# Altium PCB UmTRXv2.PcbDoc (part 17 of 25)
Units mm, origin at the board's own origin, x right, y up, seen from the top; angles counter-clockwise.
Board outline 159.5 x 99.5 mm, 6 copper layers (Top Layer, GND, MidLayer1, Mid-Layer 2, InternalPlane2, Bottom Layer), stack 1.526 mm thick; 708 components, 578 nets, 2802 pads, 1408 vias.
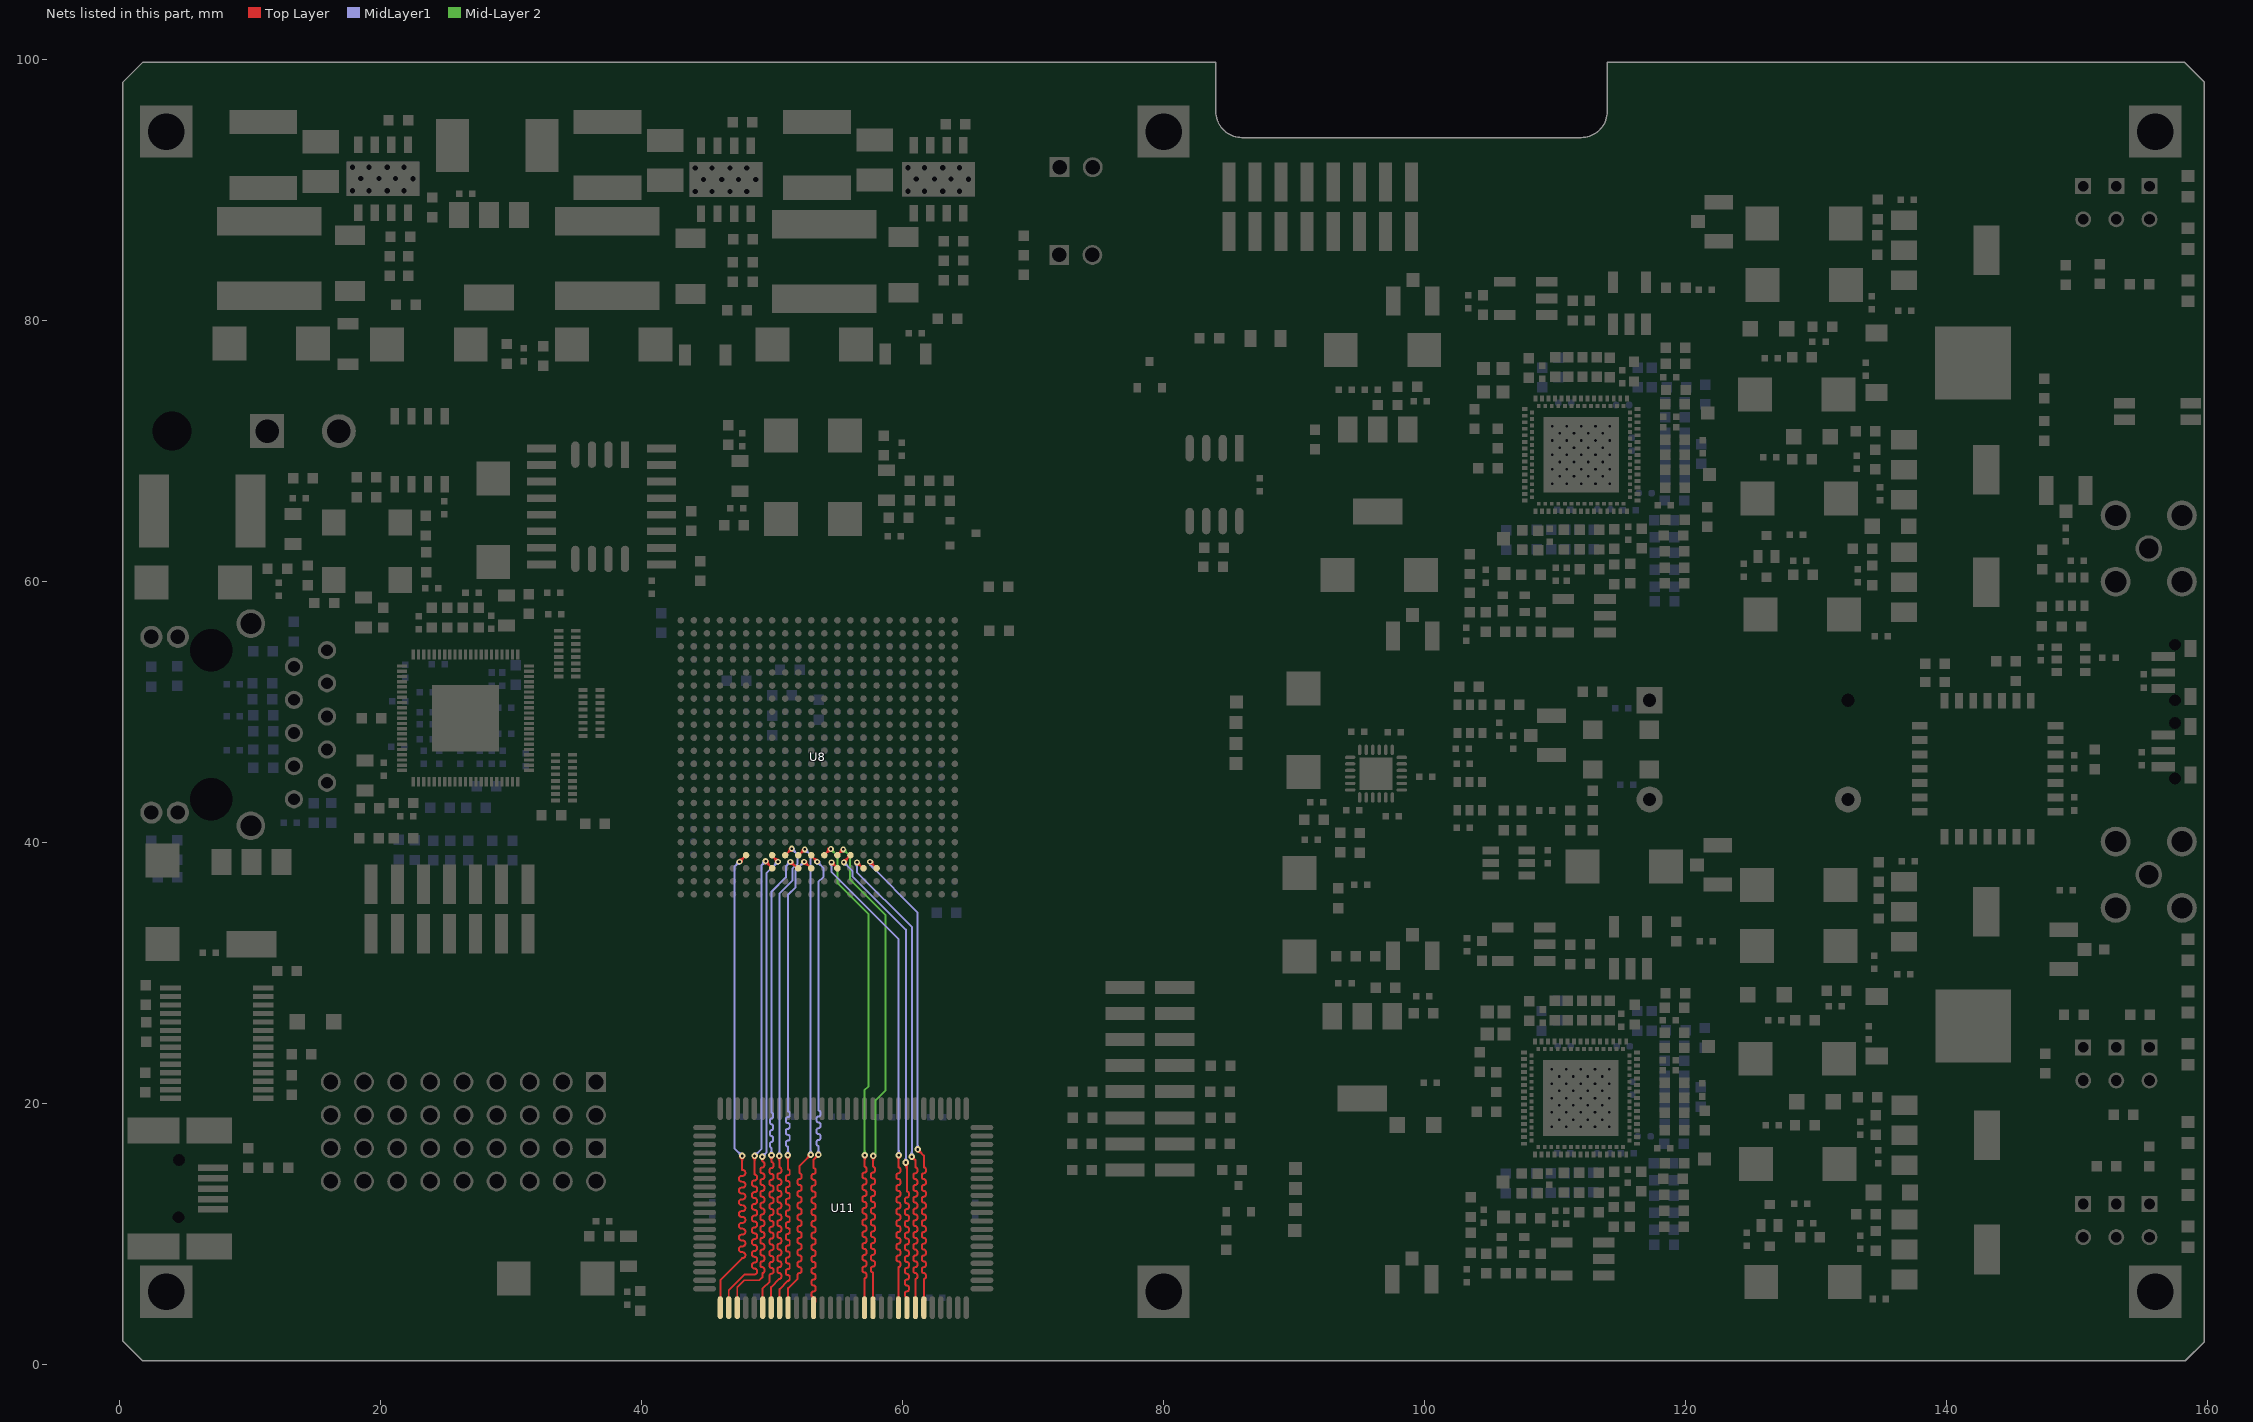
[diagram p21: the nets of this part, all layers, seen from the top]

## Via types
v1: diameter 0.5, hole 0.2, Top Layer to Bottom Layer, tented both sides, 441 vias
v2: diameter 0.45, hole 0.2, Top Layer to Bottom Layer, tented both sides, 429 vias
v3: diameter 0.7, hole 0.3, Top Layer to Bottom Layer, tented both sides, 258 vias
v4: diameter 0.4, hole 0.2, Top Layer to Bottom Layer, tented both sides, 197 vias
v5: diameter 0.8, hole 0.3, Top Layer to Bottom Layer, tented both sides, 61 vias
v6: diameter 0.6, hole 0.25, Top Layer to Bottom Layer, tented both sides, 16 vias
v7: diameter 0.6, hole 0.3, Top Layer to Bottom Layer, tented both sides, 4 vias
v8: diameter 1, hole 0.5, Top Layer to Bottom Layer, tented both sides, 2 vias

## Nets (pads, with @x,y where several pads share a name; then routed paths per layer and width w, separated by ;. In a path a pad name is that pad's centre, name@x,y a point inside that pad or via, vN(x,y) a via of type N, cw(c..) or ccw(c..) an arc to the next point about the centre after c; other vN are vias at no path point) (continued)
RAM_D01: U8.D12 U11.62 | length 52.5
  Top Layer w0.15: U8.D12@53,39 53,38.95 v2(53.45,38.5) ; U11.62@53.175,4.325 53.175,4.675 ccw(c53.175,4.825) 53.325,4.825 53.325,4.975 ccw(c53.175,4.975) 53.175,5.125 cw(c53.175,5.275) 53.025,5.275 53.025,5.425 cw(c53.175,5.425) 53.175,5.575 ccw(c53.175,5.725) 53.325,5.725 53.325,5.875 ccw(c53.175,5.875) 53.175,6.025 cw(c53.175,6.175) 53.025,6.175 53.025,6.325 cw(c53.175,6.325) 53.175,6.475 ccw(c53.175,6.625) 53.325,6.625 53.325,6.775 ccw(c53.175,6.775) 53.175,6.925 cw(c53.175,7.075) 53.025,7.075 53.025,7.225 cw(c53.175,7.225) 53.175,7.375 ccw(c53.175,7.525) 53.325,7.525 53.325,7.675 ccw(c53.175,7.675) 53.175,7.825 cw(c53.175,7.975) 53.025,7.975 53.025,8.125 cw(c53.175,8.125) 53.175,8.275 ccw(c53.175,8.425) 53.325,8.425 53.325,8.575 ccw(c53.175,8.575) 53.175,8.725 cw(c53.175,8.875) 53.025,8.875 53.025,9.025 cw(c53.175,9.025) 53.175,9.175 ccw(c53.175,9.325) 53.325,9.325 53.325,9.475 ccw(c53.175,9.475) 53.175,9.625 cw(c53.175,9.775) 53.025,9.775 53.025,9.925 cw(c53.175,9.925) 53.175,10.075 ccw(c53.175,10.225) 53.325,10.225 53.325,10.375 ccw(c53.175,10.375) 53.175,10.525 cw(c53.175,10.675) 53.025,10.675 53.025,10.825 cw(c53.175,10.825) 53.175,10.975 ccw(c53.175,11.125) 53.325,11.125 53.325,11.275 ccw(c53.175,11.275) 53.175,11.425 cw(c53.175,11.575) 53.025,11.575 53.025,11.725 cw(c53.175,11.725) 53.175,11.875 ccw(c53.175,12.025) 53.325,12.025 53.325,12.175 ccw(c53.175,12.175) 53.175,12.325 cw(c53.175,12.475) 53.025,12.475 53.025,12.625 cw(c53.175,12.625) 53.175,12.775 ccw(c53.175,12.925) 53.325,12.925 53.325,13.075 ccw(c53.175,13.075) 53.175,13.225 cw(c53.175,13.375) 53.025,13.375 53.025,13.525 cw(c53.175,13.525) 53.175,13.675 ccw(c53.175,13.825) 53.325,13.825 53.325,13.975 ccw(c53.175,13.975) 53.175,14.125 cw(c53.175,14.275) 53.025,14.275 53.025,14.425 cw(c53.175,14.425) 53.175,14.575 ccw(c53.175,14.725) 53.325,14.725 53.325,14.875 ccw(c53.175,14.875) 53.175,15.025 53.175,15.674 53.375,15.874 53.375,15.925 53.5,16.05 v1(53.55,16.05) ; 53.249,38.689 ccw(c53.503,38.757) v2(53.45,38.5) ; 53.261,38.701 cw(c53.193,38.447) v2(53.45,38.5) ; v2@53.275,38.5 ccw(c52.853,38.5) 53.151,38.799 ccw(c53.45,39.097) v2@53.45,38.675 ; v2@53.5,38.5 v2(53.45,38.5) ; 53.194,38.756 cw(c52.938,38.5) 53.3,38.5 ccw(c52.938,38.5) 53.194,38.756 ; 53.194,38.756 ccw(c53.45,39.012) 53.45,38.65 cw(c53.45,39.012) 53.194,38.756 ; 53.251,15.749 ccw(c52.95,16.05) v1@53.375,16.05 ; 53.251,15.749 ccw(c52.95,16.05) v1@53.375,16.05 ; 53.251,15.749 ccw(c52.95,16.05) v1@53.375,16.05 ; 53.253,15.752 cw(c53.55,15.455) v1@53.55,15.875 ; 53.253,15.752 cw(c53.55,15.455) v1@53.55,15.875 ; 53.253,15.752 cw(c53.55,15.455) v1@53.55,15.875 ; 53.305,15.79 cw(c53.621,15.705) v1@53.555,16.026 ; 53.305,15.79 cw(c53.621,15.705) v1@53.555,16.026 ; 53.305,15.79 cw(c53.621,15.705) v1@53.555,16.026 ; v2(53.45,38.5) ccw(c53.12,38.409) 53.209,38.74 cw(c53.12,38.409) v2(53.45,38.5) ; v2(53.45,38.5) cw(c53.541,38.83) 53.21,38.741 ccw(c53.541,38.83) v2(53.45,38.5)
  MidLayer1 w0.15: v2@53.45,38.325 cw(c53.45,37.903) 53.749,38.201 cw(c54.047,38.5) v2@53.625,38.5 ; v1(53.55,16.05) 53.55,16.725 cw(c53.55,16.875) 53.4,16.875 53.4,17.025 cw(c53.55,17.025) 53.55,17.175 ccw(c53.55,17.325) 53.7,17.325 53.7,17.475 ccw(c53.55,17.475) 53.55,17.625 cw(c53.55,17.775) 53.4,17.775 53.4,17.925 cw(c53.55,17.925) 53.55,18.075 ccw(c53.55,18.225) 53.7,18.225 53.7,18.375 ccw(c53.55,18.375) 53.55,18.525 cw(c53.55,18.675) 53.4,18.675 53.4,18.825 cw(c53.55,18.825) 53.55,18.975 ccw(c53.55,19.125) 53.7,19.125 53.7,19.275 ccw(c53.55,19.275) 53.55,19.425 53.55,36.949 53.925,37.324 53.925,38.025 v2(53.45,38.5) ; v1@53.426,16.174 ccw(c53.128,16.472) 53.55,16.472 ; v1@53.426,16.174 ccw(c53.128,16.472) 53.55,16.472 ; v1@53.426,16.174 ccw(c53.128,16.472) 53.55,16.472 ; v2(53.45,38.5) ccw(c53.78,38.591) 53.691,38.26 cw(c53.78,38.591) v2(53.45,38.5) ; v2(53.45,38.5) cw(c53.359,38.17) 53.69,38.259 ccw(c53.359,38.17) v2(53.45,38.5) ; 53.55,16.472 ccw(c53.973,16.472) v1@53.674,16.174 ; 53.55,16.472 ccw(c53.973,16.472) v1@53.674,16.174 ; 53.55,16.472 ccw(c53.973,16.472) v1@53.674,16.174 ; 53.706,38.244 cw(c53.962,38.5) 53.6,38.5 ccw(c53.962,38.5) 53.706,38.244 ; 53.706,38.244 ccw(c53.45,37.988) 53.45,38.35 cw(c53.45,37.988) 53.706,38.244
RAM_D02: U8.D13 U11.59 | length 52.8
  Top Layer w0.15: U11.59@51.225,4.325 51.225,5.825 51.95,6.55 51.95,6.825 cw(c52.1,6.825) 52.1,6.975 ccw(c52.1,7.125) 52.25,7.125 52.25,7.275 ccw(c52.1,7.275) 52.1,7.425 cw(c52.1,7.575) 51.95,7.575 51.95,7.725 cw(c52.1,7.725) 52.1,7.875 ccw(c52.1,8.025) 52.25,8.025 52.25,8.175 ccw(c52.1,8.175) 52.1,8.325 cw(c52.1,8.475) 51.95,8.475 51.95,8.625 cw(c52.1,8.625) 52.1,8.775 ccw(c52.1,8.925) 52.25,8.925 52.25,9.075 ccw(c52.1,9.075) 52.1,9.225 cw(c52.1,9.375) 51.95,9.375 51.95,9.525 cw(c52.1,9.525) 52.1,9.675 ccw(c52.1,9.825) 52.25,9.825 52.25,9.975 ccw(c52.1,9.975) 52.1,10.125 cw(c52.1,10.275) 51.95,10.275 51.95,10.425 cw(c52.1,10.425) 52.1,10.575 ccw(c52.1,10.725) 52.25,10.725 52.25,10.875 ccw(c52.1,10.875) 52.1,11.025 cw(c52.1,11.175) 51.95,11.175 51.95,11.325 cw(c52.1,11.325) 52.1,11.475 ccw(c52.1,11.625) 52.25,11.625 52.25,11.775 ccw(c52.1,11.775) 52.1,11.925 cw(c52.1,12.075) 51.95,12.075 51.95,12.225 cw(c52.1,12.225) 52.1,12.375 ccw(c52.1,12.525) 52.25,12.525 52.25,12.675 ccw(c52.1,12.675) 52.1,12.825 cw(c52.1,12.975) 51.95,12.975 51.95,13.125 cw(c52.1,13.125) 52.1,13.275 ccw(c52.1,13.425) 52.25,13.425 52.25,13.575 ccw(c52.1,13.575) 52.1,13.725 cw(c52.1,13.875) 51.95,13.875 51.95,14.025 cw(c52.1,14.025) 52.1,14.175 ccw(c52.1,14.325) 52.25,14.325 52.25,14.475 ccw(c52.1,14.475) 52.1,14.625 52.1,15.2 v1(52.95,16.05) ; U8.D13@52,39 52.45,39.45 v2(52.5,39.45) ; U8.D13@52.116,39.116 cw(c52.5,38.732) v2@52.5,39.275 ; 52.237,39.237 ccw(c52.023,39.45) v2@52.325,39.45 ; 52.281,39.241 ccw(c52.2,39.546) v2(52.5,39.45) ; v2@52.351,39.301 v2(52.5,39.45) ; v2(52.5,39.45) ccw(c52.547,39.166) 52.269,39.241 cw(c52.547,39.166) v2(52.5,39.45) ; v2(52.5,39.45) cw(c52.123,39.591) 52.227,39.202 ccw(c52.123,39.591) v2(52.5,39.45) ; 52.651,15.751 cw(c52.95,15.453) v1@52.95,15.875 ; 52.651,15.751 ccw(c52.353,16.05) v1@52.775,16.05 ; 52.651,15.751 ccw(c52.353,16.05) v1@52.775,16.05 ; 52.651,15.751 cw(c52.95,15.453) v1@52.95,15.875 ; 52.651,15.751 ccw(c52.353,16.05) v1@52.775,16.05 ; 52.651,15.751 cw(c52.95,15.453) v1@52.95,15.875 ; 52.69,15.805 ccw(c52.606,16.12) v1@52.926,16.055 ; 52.69,15.805 ccw(c52.606,16.12) v1@52.926,16.055 ; 52.69,15.805 ccw(c52.606,16.12) v1@52.926,16.055 ; 52.705,15.79 cw(c53.02,15.706) v1@52.955,16.026 ; 52.705,15.79 cw(c53.02,15.706) v1@52.955,16.026 ; 52.705,15.79 cw(c53.02,15.706) v1@52.955,16.026 ; U8.D13@52.159,39.159 cw(c52.5,38.817) 52.5,39.3 ccw(c52.5,38.817) U8.D13@52.159,39.159 ; 52.279,39.279 ccw(c52.109,39.45) 52.35,39.45 cw(c52.109,39.45) 52.279,39.279
  MidLayer1 w0.15: v2@52.5,39.275 cw(c52.5,38.853) 52.799,39.151 cw(c53.097,39.45) v2@52.675,39.45 ; v1(52.95,16.05) 52.95,39 v2(52.5,39.45) ; v2(52.5,39.45) ccw(c52.83,39.541) 52.741,39.21 cw(c52.83,39.541) v2(52.5,39.45) ; v2(52.5,39.45) cw(c52.409,39.12) 52.74,39.209 ccw(c52.409,39.12) v2(52.5,39.45) ; 52.756,39.194 cw(c53.012,39.45) 52.65,39.45 ccw(c53.012,39.45) 52.756,39.194 ; 52.756,39.194 ccw(c52.5,38.938) 52.5,39.3 cw(c52.5,38.938) 52.756,39.194 ; v1@52.826,16.174 ccw(c52.528,16.472) 52.95,16.472 ; v1@52.826,16.174 ccw(c52.528,16.472) 52.95,16.472 ; v1@52.826,16.174 ccw(c52.528,16.472) 52.95,16.472 ; 52.95,16.472 ccw(c53.372,16.472) v1@53.074,16.174 ; 52.95,16.472 ccw(c53.372,16.472) v1@53.074,16.174 ; 52.95,16.472 ccw(c53.372,16.472) v1@53.074,16.174
RAM_D03: U8.C12 U11.58 | length 50.7
  Top Layer w0.15: U11.58@50.575,4.325 50.575,5.75 51.2,6.375 ccw(c51.2,6.525) 51.35,6.525 51.35,6.675 ccw(c51.2,6.675) 51.2,6.825 cw(c51.2,6.975) 51.05,6.975 51.05,7.125 cw(c51.2,7.125) 51.2,7.275 ccw(c51.2,7.425) 51.35,7.425 51.35,7.575 ccw(c51.2,7.575) 51.2,7.725 cw(c51.2,7.875) 51.05,7.875 51.05,8.025 cw(c51.2,8.025) 51.2,8.175 ccw(c51.2,8.325) 51.35,8.325 51.35,8.475 ccw(c51.2,8.475) 51.2,8.625 cw(c51.2,8.775) 51.05,8.775 51.05,8.925 cw(c51.2,8.925) 51.2,9.075 ccw(c51.2,9.225) 51.35,9.225 51.35,9.375 ccw(c51.2,9.375) 51.2,9.525 cw(c51.2,9.675) 51.05,9.675 51.05,9.825 cw(c51.2,9.825) 51.2,9.975 ccw(c51.2,10.125) 51.35,10.125 51.35,10.275 ccw(c51.2,10.275) 51.2,10.425 cw(c51.2,10.575) 51.05,10.575 51.05,10.725 cw(c51.2,10.725) 51.2,10.875 ccw(c51.2,11.025) 51.35,11.025 51.35,11.175 ccw(c51.2,11.175) 51.2,11.325 cw(c51.2,11.475) 51.05,11.475 51.05,11.625 cw(c51.2,11.625) 51.2,11.775 ccw(c51.2,11.925) 51.35,11.925 51.35,12.075 ccw(c51.2,12.075) 51.2,12.225 cw(c51.2,12.375) 51.05,12.375 51.05,12.525 cw(c51.2,12.525) 51.2,12.675 ccw(c51.2,12.825) 51.35,12.825 51.35,12.975 ccw(c51.2,12.975) 51.2,13.125 cw(c51.2,13.275) 51.05,13.275 51.05,13.425 cw(c51.2,13.425) 51.2,13.575 ccw(c51.2,13.725) 51.35,13.725 51.35,13.875 ccw(c51.2,13.875) 51.2,14.025 cw(c51.2,14.175) 51.05,14.175 51.05,14.325 cw(c51.2,14.325) 51.2,14.475 ccw(c51.2,14.625) 51.35,14.625 51.35,14.775 ccw(c51.2,14.775) 51.2,14.925 v1(51.2,16) ; v2@52.45,38.325 cw(c52.45,37.782) U8.C12@52.834,38.166 ; v2@52.625,38.5 ccw(c52.927,38.5) 52.713,38.287 ; 52.669,38.291 cw(c52.75,38.596) v2(52.45,38.5) ; U8.C12@53,38 52.5,38.5 v2(52.45,38.5) ; v1@51.076,15.876 cw(c50.778,15.578) 51.2,15.578 ; v1@51.076,15.876 cw(c50.778,15.578) 51.2,15.578 ; v1@51.076,15.876 cw(c50.778,15.578) 51.2,15.578 ; 51.2,15.578 cw(c51.622,15.578) v1@51.324,15.876 ; 51.2,15.578 cw(c51.622,15.578) v1@51.324,15.876 ; 51.2,15.578 cw(c51.622,15.578) v1@51.324,15.876 ; v2(52.45,38.5) ccw(c52.827,38.641) 52.723,38.252 cw(c52.827,38.641) v2(52.45,38.5) ; v2(52.45,38.5) cw(c52.403,38.216) 52.681,38.291 ccw(c52.403,38.216) v2(52.45,38.5) ; v2@52.45,38.35 cw(c52.45,37.867) 52.791,38.209 ccw(c52.45,37.867) v2@52.45,38.35 ; v2@52.6,38.5 ccw(c52.841,38.5) 52.671,38.329 cw(c52.841,38.5) v2@52.6,38.5
  MidLayer1 w0.15: v1(51.2,16) 51.2,16.675 cw(c51.2,16.825) 51.05,16.825 51.05,16.975 cw(c51.2,16.975) 51.2,17.125 ccw(c51.2,17.275) 51.35,17.275 51.35,17.425 ccw(c51.2,17.425) 51.2,17.575 cw(c51.2,17.725) 51.05,17.725 51.05,17.875 cw(c51.2,17.875) 51.2,18.025 ccw(c51.2,18.175) 51.35,18.175 51.35,18.325 ccw(c51.2,18.325) 51.2,18.475 cw(c51.2,18.625) 51.05,18.625 51.05,18.775 cw(c51.2,18.775) 51.2,18.925 ccw(c51.2,19.075) 51.35,19.075 51.35,19.225 ccw(c51.2,19.225) 51.2,19.375 51.2,35.95 51.8,36.55 51.8,37.85 v2(52.45,38.5) ; v2@52.275,38.5 cw(c51.853,38.5) 52.151,38.201 cw(c52.45,37.903) v2@52.45,38.325 ; v1@51.076,16.124 ccw(c50.778,16.422) 51.2,16.422 ; v1@51.076,16.124 ccw(c50.778,16.422) 51.2,16.422 ; v1@51.076,16.124 ccw(c50.778,16.422) 51.2,16.422 ; 51.2,16.422 ccw(c51.622,16.422) v1@51.324,16.124 ; 51.2,16.422 ccw(c51.622,16.422) v1@51.324,16.124 ; 51.2,16.422 ccw(c51.622,16.422) v1@51.324,16.124 ; 52.194,38.244 cw(c52.45,37.988) 52.45,38.35 ccw(c52.45,37.988) 52.194,38.244 ; 52.194,38.244 ccw(c51.938,38.5) 52.3,38.5 cw(c51.938,38.5) 52.194,38.244 ; v2(52.45,38.5) ccw(c52.541,38.17) 52.21,38.259 cw(c52.541,38.17) v2(52.45,38.5) ; v2(52.45,38.5) cw(c52.12,38.591) 52.209,38.26 ccw(c52.12,38.591) v2(52.45,38.5)
RAM_D04: U8.D14 U11.57 | length 51.2
  Top Layer w0.15: U11.57@49.925,4.325 49.925,5.9 50.55,6.525 ccw(c50.55,6.675) 50.7,6.675 50.7,6.825 ccw(c50.55,6.825) 50.55,6.975 cw(c50.55,7.125) 50.4,7.125 50.4,7.275 cw(c50.55,7.275) 50.55,7.425 ccw(c50.55,7.575) 50.7,7.575 50.7,7.725 ccw(c50.55,7.725) 50.55,7.875 cw(c50.55,8.025) 50.4,8.025 50.4,8.175 cw(c50.55,8.175) 50.55,8.325 ccw(c50.55,8.475) 50.7,8.475 50.7,8.625 ccw(c50.55,8.625) 50.55,8.775 cw(c50.55,8.925) 50.4,8.925 50.4,9.075 cw(c50.55,9.075) 50.55,9.225 ccw(c50.55,9.375) 50.7,9.375 50.7,9.525 ccw(c50.55,9.525) 50.55,9.675 cw(c50.55,9.825) 50.4,9.825 50.4,9.975 cw(c50.55,9.975) 50.55,10.125 ccw(c50.55,10.275) 50.7,10.275 50.7,10.425 ccw(c50.55,10.425) 50.55,10.575 cw(c50.55,10.725) 50.4,10.725 50.4,10.875 cw(c50.55,10.875) 50.55,11.025 ccw(c50.55,11.175) 50.7,11.175 50.7,11.325 ccw(c50.55,11.325) 50.55,11.475 cw(c50.55,11.625) 50.4,11.625 50.4,11.775 cw(c50.55,11.775) 50.55,11.925 ccw(c50.55,12.075) 50.7,12.075 50.7,12.225 ccw(c50.55,12.225) 50.55,12.375 cw(c50.55,12.525) 50.4,12.525 50.4,12.675 cw(c50.55,12.675) 50.55,12.825 ccw(c50.55,12.975) 50.7,12.975 50.7,13.125 ccw(c50.55,13.125) 50.55,13.275 cw(c50.55,13.425) 50.4,13.425 50.4,13.575 cw(c50.55,13.575) 50.55,13.725 ccw(c50.55,13.875) 50.7,13.875 50.7,14.025 ccw(c50.55,14.025) 50.55,14.175 cw(c50.55,14.325) 50.4,14.325 50.4,14.475 cw(c50.55,14.475) 50.55,14.625 ccw(c50.55,14.775) 50.7,14.775 50.7,14.925 ccw(c50.55,14.925) 50.55,15.075 v1(50.55,15.95) ; U8.D14@51,39 v2(51.5,39.5) ; 51.299,39.311 cw(c51.553,39.243) v2(51.5,39.5) ; 51.311,39.299 ccw(c51.243,39.553) v2(51.5,39.5) ; v2@51.325,39.5 cw(c50.903,39.5) 51.201,39.201 cw(c51.5,38.903) v2@51.5,39.325 ; v1@50.426,15.826 cw(c50.128,15.528) 50.55,15.528 ; v1@50.426,15.826 cw(c50.128,15.528) 50.55,15.528 ; v1@50.426,15.826 cw(c50.128,15.528) 50.55,15.528 ; 50.55,15.528 cw(c50.972,15.528) v1@50.674,15.826 ; 50.55,15.528 cw(c50.972,15.528) v1@50.674,15.826 ; 50.55,15.528 cw(c50.972,15.528) v1@50.674,15.826 ; 51.244,39.244 cw(c51.5,38.988) 51.5,39.35 ccw(c51.5,38.988) 51.244,39.244 ; 51.244,39.244 ccw(c50.988,39.5) 51.35,39.5 cw(c50.988,39.5) 51.244,39.244 ; v2(51.5,39.5) ccw(c51.591,39.17) 51.26,39.259 cw(c51.591,39.17) v2(51.5,39.5) ; v2(51.5,39.5) cw(c51.17,39.591) 51.259,39.26 ccw(c51.17,39.591) v2(51.5,39.5)
  MidLayer1 w0.15: v1(50.55,15.95) 50.55,36.05 51.55,37.05 51.55,37.954 51.95,38.354 51.95,39.05 v2(51.5,39.5) ; v2@51.5,39.325 cw(c51.5,38.903) 51.799,39.201 cw(c52.097,39.5) v2@51.675,39.5 ; v1@50.426,16.074 ccw(c50.128,16.372) 50.55,16.372 ; v1@50.426,16.074 ccw(c50.128,16.372) 50.55,16.372 ; v1@50.426,16.074 ccw(c50.128,16.372) 50.55,16.372 ; 50.55,16.372 ccw(c50.972,16.372) v1@50.674,16.074 ; 50.55,16.372 ccw(c50.972,16.372) v1@50.674,16.074 ; 50.55,16.372 ccw(c50.972,16.372) v1@50.674,16.074 ; v2(51.5,39.5) ccw(c51.83,39.591) 51.741,39.26 cw(c51.83,39.591) v2(51.5,39.5) ; v2(51.5,39.5) cw(c51.409,39.17) 51.74,39.259 ccw(c51.409,39.17) v2(51.5,39.5) ; 51.756,39.244 cw(c52.012,39.5) 51.65,39.5 ccw(c52.012,39.5) 51.756,39.244 ; 51.756,39.244 ccw(c51.5,38.988) 51.5,39.35 cw(c51.5,38.988) 51.756,39.244
RAM_D05: U8.C13 U11.56 | length 50.6
  Top Layer w0.15: U11.56@49.275,4.325 49.275,5.8 49.8,6.325 49.8,6.775 cw(c49.95,6.775) 49.95,6.925 ccw(c49.95,7.075) 50.1,7.075 50.1,7.225 ccw(c49.95,7.225) 49.95,7.375 cw(c49.95,7.525) 49.8,7.525 49.8,7.675 cw(c49.95,7.675) 49.95,7.825 ccw(c49.95,7.975) 50.1,7.975 50.1,8.125 ccw(c49.95,8.125) 49.95,8.275 cw(c49.95,8.425) 49.8,8.425 49.8,8.575 cw(c49.95,8.575) 49.95,8.725 ccw(c49.95,8.875) 50.1,8.875 50.1,9.025 ccw(c49.95,9.025) 49.95,9.175 cw(c49.95,9.325) 49.8,9.325 49.8,9.475 cw(c49.95,9.475) 49.95,9.625 ccw(c49.95,9.775) 50.1,9.775 50.1,9.925 ccw(c49.95,9.925) 49.95,10.075 cw(c49.95,10.225) 49.8,10.225 49.8,10.375 cw(c49.95,10.375) 49.95,10.525 ccw(c49.95,10.675) 50.1,10.675 50.1,10.825 ccw(c49.95,10.825) 49.95,10.975 cw(c49.95,11.125) 49.8,11.125 49.8,11.275 cw(c49.95,11.275) 49.95,11.425 ccw(c49.95,11.575) 50.1,11.575 50.1,11.725 ccw(c49.95,11.725) 49.95,11.875 cw(c49.95,12.025) 49.8,12.025 49.8,12.175 cw(c49.95,12.175) 49.95,12.325 ccw(c49.95,12.475) 50.1,12.475 50.1,12.625 ccw(c49.95,12.625) 49.95,12.775 cw(c49.95,12.925) 49.8,12.925 49.8,13.075 cw(c49.95,13.075) 49.95,13.225 ccw(c49.95,13.375) 50.1,13.375 50.1,13.525 ccw(c49.95,13.525) 49.95,13.675 cw(c49.95,13.825) 49.8,13.825 49.8,13.975 cw(c49.95,13.975) 49.95,14.125 ccw(c49.95,14.275) 50.1,14.275 50.1,14.425 ccw(c49.95,14.425) 49.95,14.575 cw(c49.95,14.725) 49.8,14.725 49.8,14.875 cw(c49.95,14.875) 49.95,15.025 ccw(c49.95,15.175) 50.1,15.175 50.1,15.325 ccw(c49.95,15.325) 49.95,15.475 v1(49.95,16) ; v2@51.4,38.325 cw(c51.4,37.782) 51.784,38.166 ; v2@51.575,38.5 ccw(c51.877,38.5) 51.663,38.287 ; 51.619,38.291 cw(c51.7,38.596) v2(51.4,38.5) ; U8.C13@51.975,37.975 51.45,38.5 v2(51.4,38.5) ; v1@49.826,15.876 cw(c49.528,15.578) 49.95,15.578 ; v1@49.826,15.876 cw(c49.528,15.578) 49.95,15.578 ; v1@49.826,15.876 cw(c49.528,15.578) 49.95,15.578 ; 49.95,15.578 cw(c50.372,15.578) v1@50.074,15.876 ; 49.95,15.578 cw(c50.372,15.578) v1@50.074,15.876 ; 49.95,15.578 cw(c50.372,15.578) v1@50.074,15.876 ; v2(51.4,38.5) ccw(c51.777,38.641) 51.673,38.252 cw(c51.777,38.641) v2(51.4,38.5) ; v2(51.4,38.5) cw(c51.353,38.216) 51.631,38.291 ccw(c51.353,38.216) v2(51.4,38.5) ; v2@51.4,38.35 cw(c51.4,37.867) 51.741,38.209 ccw(c51.4,37.867) v2@51.4,38.35 ; v2@51.55,38.5 ccw(c51.791,38.5) 51.621,38.329 cw(c51.791,38.5) v2@51.55,38.5
  MidLayer1 w0.15: v1(49.95,16) 49.95,16.575 cw(c49.95,16.675) 49.85,16.675 49.85,16.925 cw(c49.95,16.925) 49.95,17.025 ccw(c49.95,17.125) 50.05,17.125 50.05,17.375 ccw(c49.95,17.375) 49.95,17.475 cw(c49.95,17.575) 49.85,17.575 49.85,17.825 cw(c49.95,17.825) 49.95,17.925 ccw(c49.95,18.025) 50.05,18.025 50.05,18.275 ccw(c49.95,18.275) 49.95,18.375 cw(c49.95,18.475) 49.85,18.475 49.85,18.725 cw(c49.95,18.725) 49.95,18.825 ccw(c49.95,18.925) 50.05,18.925 50.05,19.175 ccw(c49.95,19.175) 49.95,19.275 49.95,36.2 51.05,37.3 51.05,38.15 v2(51.4,38.5) ; v2@51.225,38.5 cw(c50.803,38.5) 51.101,38.201 cw(c51.4,37.903) v2@51.4,38.325 ; v1@49.826,16.124 ccw(c49.528,16.422) 49.95,16.422 ; v1@49.826,16.124 ccw(c49.528,16.422) 49.95,16.422 ; v1@49.826,16.124 ccw(c49.528,16.422) 49.95,16.422 ; 49.95,16.422 ccw(c50.372,16.422) v1@50.074,16.124 ; 49.95,16.422 ccw(c50.372,16.422) v1@50.074,16.124 ; 49.95,16.422 ccw(c50.372,16.422) v1@50.074,16.124 ; 51.144,38.244 cw(c51.4,37.988) 51.4,38.35 ccw(c51.4,37.988) 51.144,38.244 ; 51.144,38.244 ccw(c50.888,38.5) 51.25,38.5 cw(c50.888,38.5) 51.144,38.244 ; v2(51.4,38.5) ccw(c51.491,38.17) 51.16,38.259 cw(c51.491,38.17) v2(51.4,38.5) ; v2(51.4,38.5) cw(c51.07,38.591) 51.159,38.26 ccw(c51.07,38.591) v2(51.4,38.5)
RAM_D06: U8.D15 U11.53 | length 50.8
  Top Layer w0.15: U11.53@47.325,4.325 47.325,5.875 47.875,6.425 49.025,6.425 49.25,6.65 49.25,6.975 ccw(c49.25,7.125) 49.4,7.125 49.4,7.275 ccw(c49.25,7.275) 49.25,7.425 cw(c49.25,7.575) 49.1,7.575 49.1,7.725 cw(c49.25,7.725) 49.25,7.875 ccw(c49.25,8.025) 49.4,8.025 49.4,8.175 ccw(c49.25,8.175) 49.25,8.325 cw(c49.25,8.475) 49.1,8.475 49.1,8.625 cw(c49.25,8.625) 49.25,8.775 ccw(c49.25,8.925) 49.4,8.925 49.4,9.075 ccw(c49.25,9.075) 49.25,9.225 cw(c49.25,9.375) 49.1,9.375 49.1,9.525 cw(c49.25,9.525) 49.25,9.675 ccw(c49.25,9.825) 49.4,9.825 49.4,9.975 ccw(c49.25,9.975) 49.25,10.125 cw(c49.25,10.275) 49.1,10.275 49.1,10.425 cw(c49.25,10.425) 49.25,10.575 ccw(c49.25,10.725) 49.4,10.725 49.4,10.875 ccw(c49.25,10.875) 49.25,11.025 cw(c49.25,11.175) 49.1,11.175 49.1,11.325 cw(c49.25,11.325) 49.25,11.475 ccw(c49.25,11.625) 49.4,11.625 49.4,11.775 ccw(c49.25,11.775) 49.25,11.925 cw(c49.25,12.075) 49.1,12.075 49.1,12.225 cw(c49.25,12.225) 49.25,12.375 ccw(c49.25,12.525) 49.4,12.525 49.4,12.675 ccw(c49.25,12.675) 49.25,12.825 cw(c49.25,12.975) 49.1,12.975 49.1,13.125 cw(c49.25,13.125) 49.25,13.275 ccw(c49.25,13.425) 49.4,13.425 49.4,13.575 ccw(c49.25,13.575) 49.25,13.725 cw(c49.25,13.875) 49.1,13.875 49.1,14.025 cw(c49.25,14.025) 49.25,14.175 ccw(c49.25,14.325) 49.4,14.325 49.4,14.475 ccw(c49.25,14.475) 49.25,14.625 cw(c49.25,14.775) 49.1,14.775 49.1,14.925 cw(c49.25,14.925) 49.25,15.075 ccw(c49.25,15.225) 49.4,15.225 49.4,15.375 ccw(c49.25,15.375) 49.25,15.525 ; v1(49.25,15.9) 49.25,15.525 ; U8.D15@50,39 50,38.95 v2(50.45,38.5) ; 50.249,38.689 ccw(c50.503,38.757) v2(50.45,38.5) ; 50.261,38.701 cw(c50.193,38.447) v2(50.45,38.5) ; v2@50.275,38.5 ccw(c49.853,38.5) 50.151,38.799 ccw(c50.45,39.097) v2@50.45,38.675 ; v1@49.138,15.766 cw(c48.936,15.525) 49.25,15.525 ; v1@49.138,15.766 cw(c48.936,15.525) 49.25,15.525 ; v1@49.138,15.766 cw(c48.936,15.525) 49.25,15.525 ; 49.25,15.525 cw(c49.564,15.525) v1@49.362,15.766 ; 49.25,15.525 cw(c49.564,15.525) v1@49.362,15.766 ; 49.25,15.525 cw(c49.564,15.525) v1@49.362,15.766 ; 50.194,38.756 cw(c49.938,38.5) 50.3,38.5 ccw(c49.938,38.5) 50.194,38.756 ; 50.194,38.756 ccw(c50.45,39.012) 50.45,38.65 cw(c50.45,39.012) 50.194,38.756 ; v2(50.45,38.5) ccw(c50.12,38.409) 50.209,38.74 cw(c50.12,38.409) v2(50.45,38.5) ; v2(50.45,38.5) cw(c50.541,38.83) 50.21,38.741 ccw(c50.541,38.83) v2(50.45,38.5)